# Altium PCB pqm_v2_310816.PcbDoc (part 1 of 2)
Units mil, origin at the board's own origin, x right, y up, seen from the top; angles counter-clockwise.
Board outline 5393.7 x 3307.09 mil, 2 copper layers (Top Layer, Bottom Layer); 241 components, 186 nets, 846 pads, 198 vias.
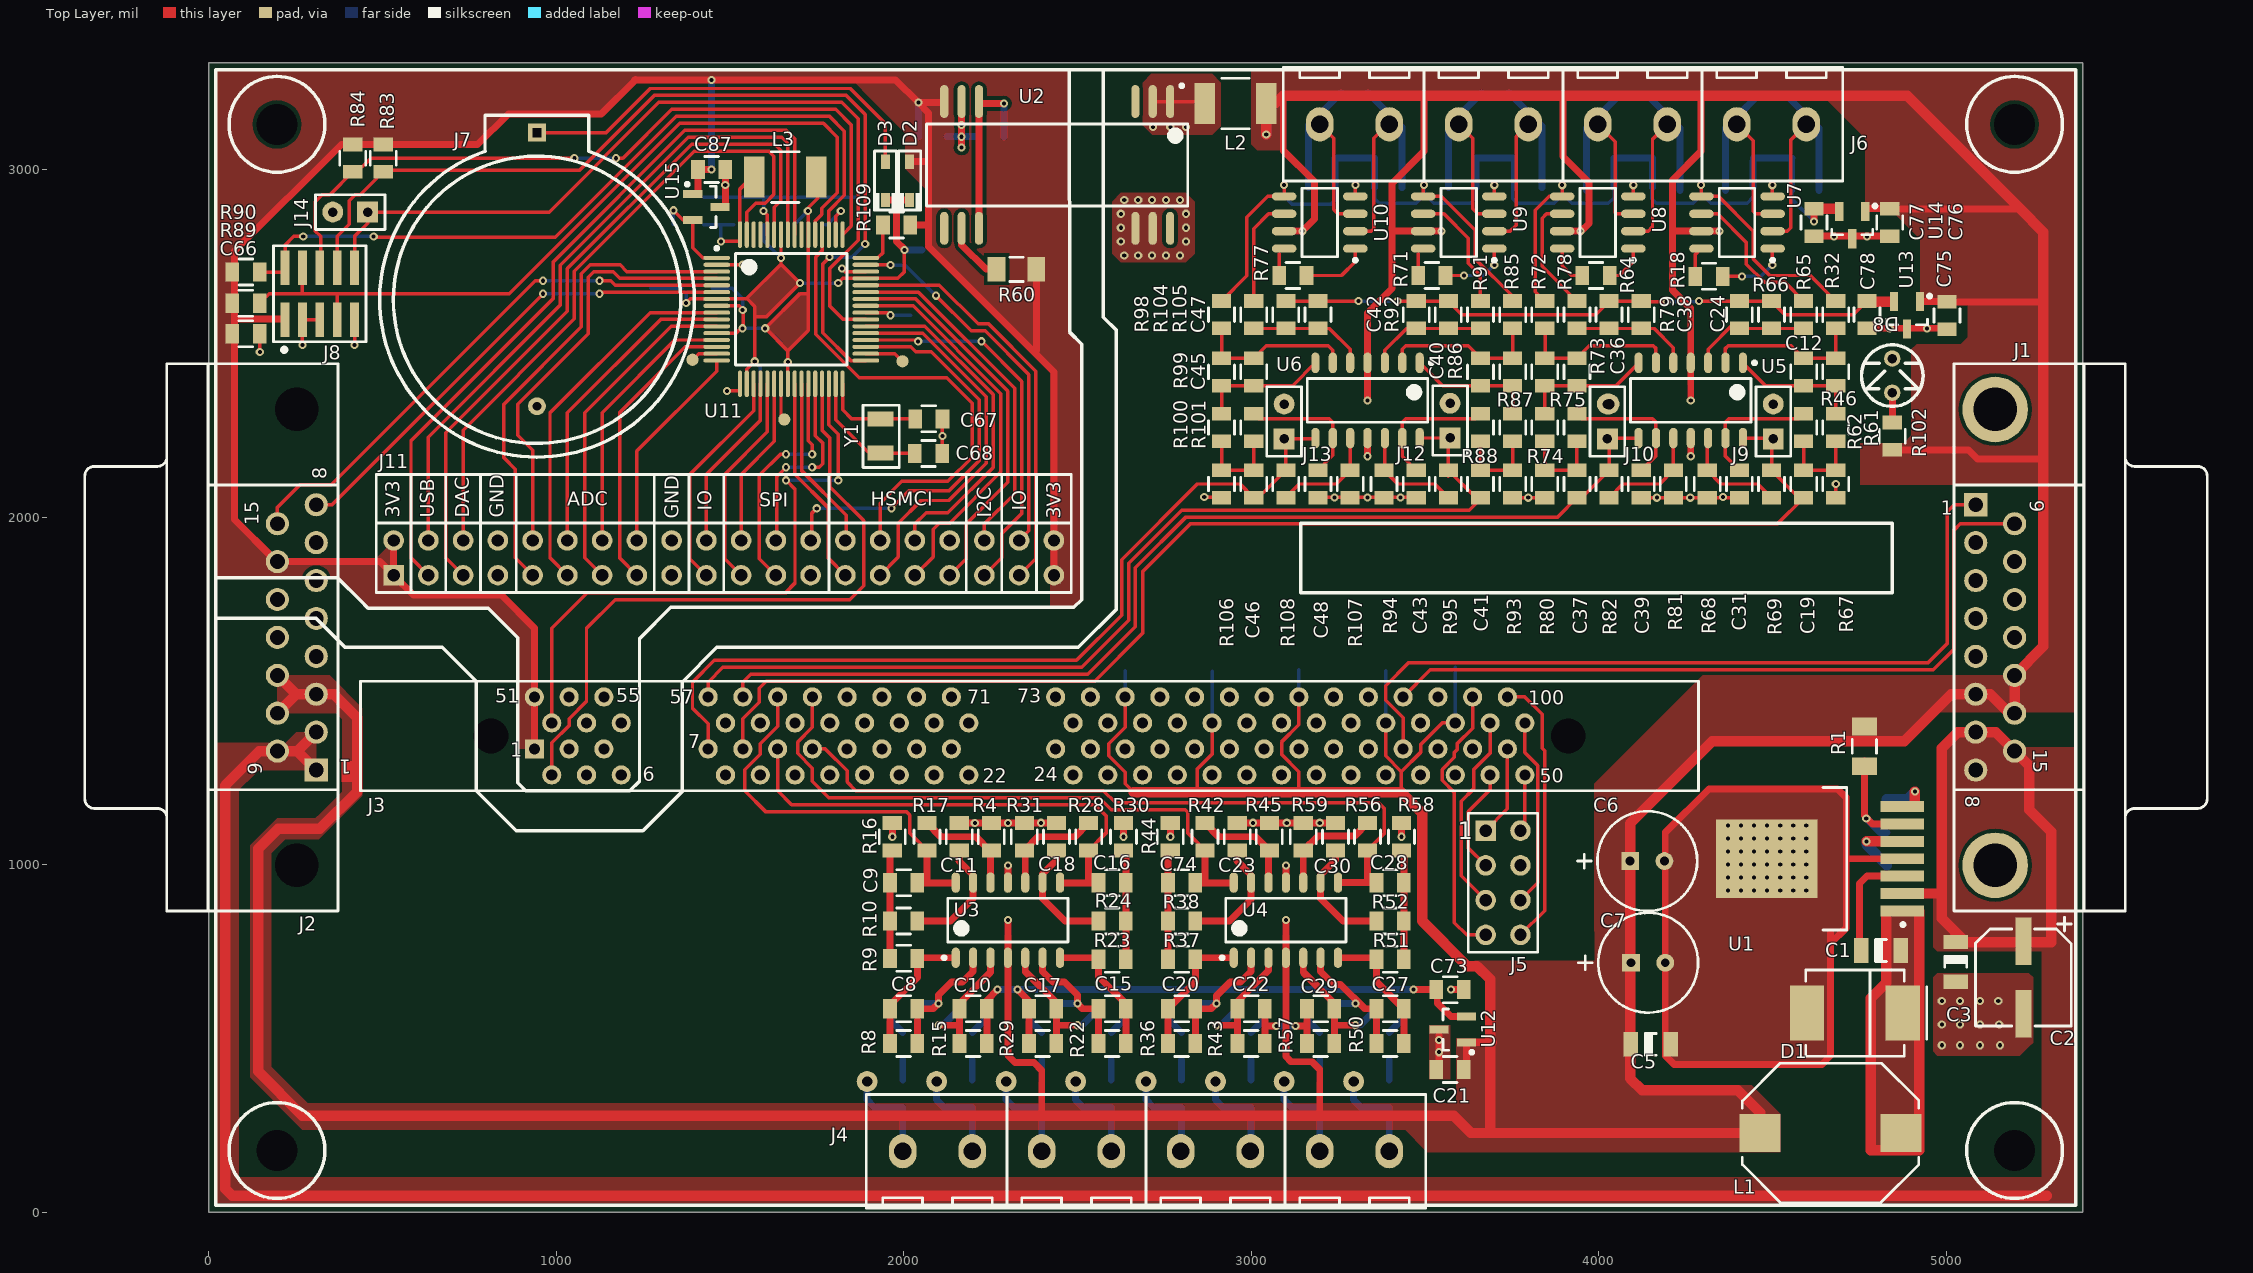
[diagram p0: Top Layer view]
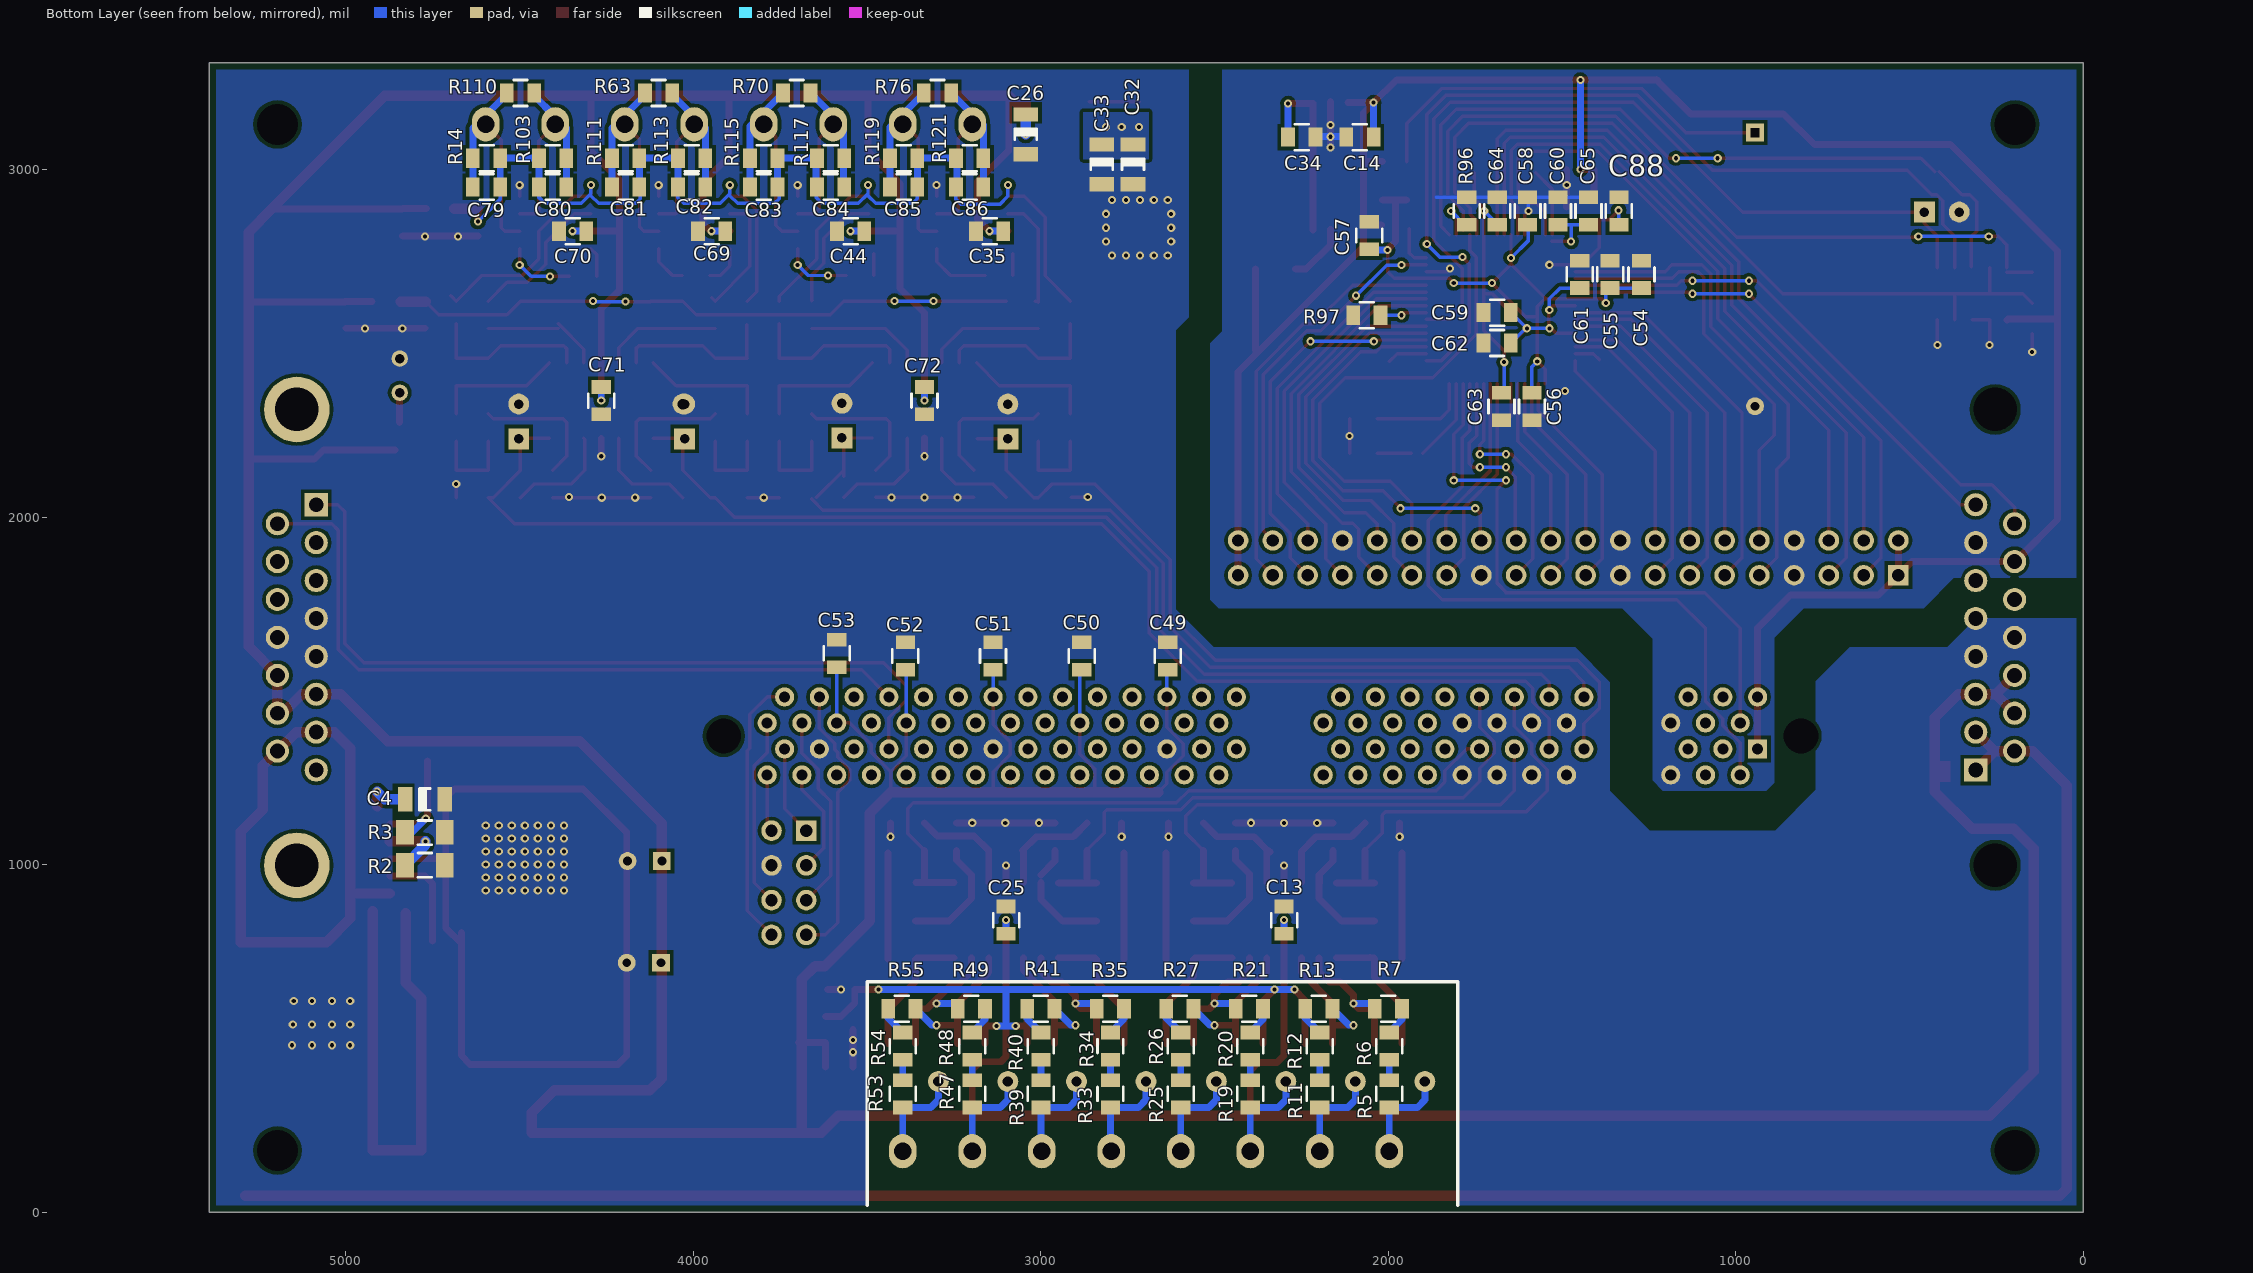
[diagram p1: Bottom Layer view, seen from below]

## Layer stack, top to bottom
Top Layer: signal copper 1.4
Dielectric: dielectric 12.6, FR-4, Dk 4.8
Bottom Layer: signal copper 1.4

## Board outline
0,0 0,3307.09 5393.7,3307.09 5393.7,0

## Design rules (kind name [scope] priority, off if disabled: settings)
Clearance Clearance_1 [All vs InPolygon] p1: gap=10
Clearance [All] p2: gap=5
PlaneClearance [All] p1: clearance=40
PlaneConnect [All] p1: planeconnectstyle=Direct reliefexpansion=20 reliefentries=4 reliefconductorwidth=10 reliefairgap=10
PolygonConnect [All] p1: connectstyle=Direct reliefconductorwidth=10 reliefentries=4 polygonreliefangle="90 Angle"
RoutingVias [All] p1: holewidth=15 width=30 viastyle="Through Hole" minholewidth=23.62 minwidth=11.81 maxholewidth=25 maxwidth=50
SilkscreenOverComponentPads [All] p1: minsilkscreentomaskgap=10
SolderMaskExpansion [All] p1: expansion=4
UnRoutedNet UnRoutedNet_1 [All] p1:
UnRoutedNet [All] p2:
Width [All] p1: maxlimit=31.5 minlimit=10 preferedwidth=10
24 further rules are at their usual default settings.

## Classes and differential pairs
component class pqm_v2_page2: C49 C50 C51 C52 C53 C54 C55 C56 C57 C58 C59 C60 C61 C62 C63 C64 C65 C66 C67 C68 C87 C88 D2 D3 J3 J5 J7 J8 J11 J14 L3 R83 R84 R89 R90 R96 R97 R109 U11 U15 Y1
component class pqm_v2_page4: C12 C19 C24 C31 C35 C36 C37 C38 C39 C40 C41 C42 C43 C44 C45 C46 C47 C48 C69 C70 C71 C72 C75 C76 C77 C78 C79 C80 C81 C82 C83 C84 C85 C86 J6 J9 J10 J12 J13 R14 R18 R32 R46 R61 R62 R63 R64 R65 R66 R67 R68 R69 R70 R71 R72 R73 R74 R75 R76 R77 R78 R79 R80 R81 R82 R85 R86 R87 R88 R91 R92 R93 R94 R95 R98 R99 R100 R101 R103 R104 R105 R106 R107 R108 R110 R111 R113 R115 R117 R119 R121 U5 U6 U7 U8 U9 U10 U13 U14
component class pqm_v2_page1: C1 C2 C3 C4 C5 C6 C7 C14 C26 C32 C33 C34 D1 D8 J1 J2 L1 L2 R1 R2 R3 R60 R102 U1 U2
component class pqm_v2_page3: C8 C9 C10 C11 C13 C15 C16 C17 C18 C20 C21 C22 C23 C25 C27 C28 C29 C30 C73 C74 J4 R4 R5 R6 R7 R8 R9 R10 R11 R12 R13 R15 R16 R17 R19 R20 R21 R22 R23 R24 R25 R26 R27 R28 R29 R30 R31 R33 R34 R35 R36 R37 R38 R39 R40 R41 R42 R43 R44 R45 R47 R48 R49 R50 R51 R52 R53 R54 R55 R56 R57 R58 R59 U3 U4 U12

## Components (designator, comment, footprint, x,y, rotation, side; value= is the part's Value field where it differs from the comment)
C1 "CAP_C3216X7R2J103K115AA_TDK" CAPC3216X135N_B 4812.5,752.5 r0 top
C2 "CAP_EEE-1HA470XP_PANASONIC" CAPAE630770X770N 5222.5,675 r90 top
C3 "CAP_C3216X7R1E105M085AA_TDK" CAPC3216X135N_B 5027.5,720 r270 top
C4 "CAP_C3216X7R1E105M085AA_TDK" CAPC3216X135N_B 4772.5,1187.5 r180 bottom
C5 "CAP_EEU-FC1E121_PANASONIC" CAPPRD250W50D630H1250 4142.5,717.5 r270 top
C6 "CAP_EEU-FC1E121_PANASONIC" CAPPRD250W50D630H1250 4140,1010 r270 top
C7 "CAP_C3216X7R1E105M085AA_TDK" CAPC3216X135N_B 4150,482.5 r0 top
C8 "CAP_GRM2195C1H103FA01D_MURATA" CAPC2013X110N 2000,585 r180 top
C9 "CAP_GRM2195C1H103FA01D_MURATA" CAPC2013X110N 2000,947.5 r0 top
C10 "CAP_GRM2195C1H103FA01D_MURATA" CAPC2013X110N 2200,585 r180 top
C11 "CAP_GRM2195C1H103FA01D_MURATA" CAPC2013X110N 2160,1080 r270 top
C12 "CAP_GRM2195C1H103FA01D_MURATA" CAPC2013X110N 4590,2417.5 r270 top
C13 "CAP_CC0805KRX7R8BB104_YAGEO" CAPC2013X110N 2300,840 r90 bottom
C14 "CAP_CC0805KRX7R8BB104_YAGEO" CAPC2013X110N 2081.87,3093.13 r0 bottom
C15 "CAP_GRM2195C1H103FA01D_MURATA" CAPC2013X110N 2600,585 r0 top
C16 "CAP_GRM2195C1H103FA01D_MURATA" CAPC2013X110N 2600,947.5 r180 top
C17 "CAP_GRM2195C1H103FA01D_MURATA" CAPC2013X110N 2400,585 r0 top
C18 "CAP_GRM2195C1H103FA01D_MURATA" CAPC2013X110N 2440,1080 r270 top
C19 "CAP_GRM2195C1H103FA01D_MURATA" CAPC2013X110N 4590,2095 r270 top
C20 "CAP_GRM2195C1H103FA01D_MURATA" CAPC2013X110N 2800,585 r180 top
C21 "CAP_CC0805KKX7R7BB105_YAGEO" CAPC2013X110N 3572.5,410 r180 top
C22 "CAP_GRM2195C1H103FA01D_MURATA" CAPC2013X110N 3000,585 r180 top
C23 "CAP_GRM2195C1H103FA01D_MURATA" CAPC2013X110N 2960,1080 r270 top
C24 "CAP_GRM2195C1H103FA01D_MURATA" CAPC2013X110N 4405,2582.5 r270 top
C25 "CAP_CC0805KRX7R8BB104_YAGEO" CAPC2013X110N 3100,840 r90 bottom
C26 "CAP_C3216X7R1E105M085AA_TDK" CAPC3216X135N_B 3043.58,3101.08 r270 bottom
C27 "CAP_GRM2195C1H103FA01D_MURATA" CAPC2013X110N 3400,585 r0 top
C28 "CAP_GRM2195C1H103FA01D_MURATA" CAPC2013X110N 3400,947.5 r180 top
C29 "CAP_GRM2195C1H103FA01D_MURATA" CAPC2013X110N 3200,585 r0 top
C30 "CAP_GRM2195C1H103FA01D_MURATA" CAPC2013X110N 3242.5,1080 r270 top
C31 "CAP_GRM2195C1H103FA01D_MURATA" CAPC2013X110N 4405,2095 r90 top
C32 "CAP_C3216X7R1E105M085AA_TDK" CAPC3216X135N_B 2735,3015 r270 bottom
C33 "CAP_CC1206KKX7R7BB225_YAGEO" CAPC3216X135N_B 2825,3015 r270 bottom
C34 "CAP_CC0805KKX7R7BB105_YAGEO" CAPC2013X110N 2249.37,3093.13 r180 bottom
C35 "CAP_CC0805KRX7R8BB104_YAGEO" CAPC2013X110N 3147.5,2822.5 r0 bottom
C36 "CAP_GRM2195C1H103FA01D_MURATA" CAPC2013X110N 3937.5,2417.5 r270 top
C37 "CAP_GRM2195C1H103FA01D_MURATA" CAPC2013X110N 3937.5,2095 r270 top
C38 "CAP_GRM2195C1H103FA01D_MURATA" CAPC2013X110N 4122.5,2582.5 r270 top
C39 "CAP_GRM2195C1H103FA01D_MURATA" CAPC2013X110N 4122.5,2095 r90 top
C40 "CAP_GRM2195C1H103FA01D_MURATA" CAPC2013X110N 3660,2417.5 r270 top
C41 "CAP_GRM2195C1H103FA01D_MURATA" CAPC2013X110N 3660,2095 r270 top
C42 "CAP_GRM2195C1H103FA01D_MURATA" CAPC2013X110N 3475,2582.5 r270 top
C43 "CAP_GRM2195C1H103FA01D_MURATA" CAPC2013X110N 3475,2095 r90 top
C44 "CAP_CC0805KRX7R8BB104_YAGEO" CAPC2013X110N 3547.5,2822.5 r0 bottom
C45 "CAP_GRM2195C1H103FA01D_MURATA" CAPC2013X110N 3007.5,2417.5 r270 top
C46 "CAP_GRM2195C1H103FA01D_MURATA" CAPC2013X110N 3007.5,2095 r270 top
C47 "CAP_GRM2195C1H103FA01D_MURATA" CAPC2013X110N 3192.5,2582.5 r270 top
C48 "CAP_GRM2195C1H103FA01D_MURATA" CAPC2013X110N 3192.5,2095 r90 top
C49 "CAP_CC0805KRX7R8BB104_YAGEO" CAPC2013X110N 2635,1600 r90 bottom
C50 "CAP_CC0805KRX7R8BB104_YAGEO" CAPC2013X110N 2882.5,1600 r90 bottom
C51 "CAP_CC0805KRX7R8BB104_YAGEO" CAPC2013X110N 3137.5,1600 r90 bottom
C52 "CAP_CC0805KRX7R8BB104_YAGEO" CAPC2013X110N 3390,1600 r90 bottom
C53 "CAP_CC0805KRX7R8BB104_YAGEO" CAPC2013X110N 3587.5,1607.5 r90 bottom
C54 "CAP_C2012X6S1C106K085AC_TDK" CAPC2013X110N 1271.87,2698.13 r90 bottom
C55 "CAP_CC0805KRX7R8BB104_YAGEO" CAPC2013X110N 1361.87,2698.13 r90 bottom
C56 "CAP_CC0805KRX7R8BB104_YAGEO" CAPC2013X110N 1586.87,2318.13 r270 bottom
C57 "CAP_CC0805KRX7R8BB104_YAGEO" CAPC2013X110N 2055,2810 r90 bottom
C58 "CAP_CC0805KRX7R8BB104_YAGEO" CAPC2013X110N 1599.37,2880.63 r90 bottom
C59 "CAP_C2012X6S1C106K085AC_TDK" CAPC2013X110N 1686.87,2588.13 r0 bottom
C60 "CAP_C2012X6S1C106K085AC_TDK" CAPC2013X110N 1511.87,2880.63 r90 bottom
C61 "CAP_CC0805KRX7R8BB104_YAGEO" CAPC2013X110N 1449.37,2698.13 r270 bottom
C62 "CAP_CC0805KRX7R8BB104_YAGEO" CAPC2013X110N 1686.87,2500.63 r180 bottom
C63 "CAP_CC0805KRX7R8BB104_YAGEO" CAPC2013X110N 1674.37,2318.13 r90 bottom
C64 "CAP_CC0805KRX7R8BB104_YAGEO" CAPC2013X110N 1686.87,2880.63 r270 bottom
C65 "CAP_CC0805KRX7R8BB104_YAGEO" CAPC2013X110N 1424.37,2880.63 r270 bottom
C66 "CAP_CC0805KRX7R8BB104_YAGEO" CAPC2013X110N 107.5,2527.5 r0 top
C67 "CAP_C0805X150J5GACTU_KEMET" CAPC2013X110N 2072.5,2282.5 r0 top
C68 "CAP_C0805X150J5GACTU_KEMET" CAPC2013X110N 2071.71,2182.97 r0 top
C69 "CAP_CC0805KRX7R8BB104_YAGEO" CAPC2013X110N 3947.5,2822.5 r0 bottom
C70 "CAP_CC0805KRX7R8BB104_YAGEO" CAPC2013X110N 4347.5,2822.5 r0 bottom
C71 "CAP_CC0805KRX7R8BB104_YAGEO" CAPC2013X110N 4265,2335 r270 bottom
C72 "CAP_CC0805KRX7R8BB104_YAGEO" CAPC2013X110N 3335,2335 r270 bottom
C73 "CAP_CC0805KKX7R7BB105_YAGEO" CAPC2013X110N 3572.5,640 r0 top
C74 "CAP_GRM2195C1H103FA01D_MURATA" CAPC2013X110N 2800,947.5 r0 top
C75 "CAP_CC0805KKX7R7BB105_YAGEO" CAPC2013X110N 5002.5,2580 r270 top
C76 "CAP_CC0805KKX7R7BB105_YAGEO" CAPC2013X110N 4837.5,2847.5 r270 top
C77 "CAP_CC0805KKX7R7BB105_YAGEO" CAPC2013X110N 4620,2847.5 r270 top
C78 "CAP_CC0805KKX7R7BB105_YAGEO" CAPC2013X110N 4772.5,2582.5 r270 top
C79 "CAP_CC0805JRNPO9BN101_YAGEO" CAPC2013X110N 4595,2950 r180 bottom
C80 "CAP_CC0805JRNPO9BN101_YAGEO" CAPC2013X110N 4405,2950 r180 bottom
C81 "CAP_CC0805JRNPO9BN101_YAGEO" CAPC2013X110N 4195,2950 r180 bottom
C82 "CAP_CC0805JRNPO9BN101_YAGEO" CAPC2013X110N 4005,2950 r180 bottom
C83 "CAP_CC0805JRNPO9BN101_YAGEO" CAPC2013X110N 3797.5,2950 r180 bottom
C84 "CAP_CC0805JRNPO9BN101_YAGEO" CAPC2013X110N 3605,2950 r180 bottom
C85 "CAP_CC0805JRNPO9BN101_YAGEO" CAPC2013X110N 3395,2950 r180 bottom
C86 "CAP_CC0805JRNPO9BN101_YAGEO" CAPC2013X110N 3205,2950 r180 bottom
C87 "CAP_CC0805KKX7R7BB105_YAGEO" CAPC2013X110N 1447.5,3000 r0 top
C88 "CAP_CC0805KKX7R7BB105_YAGEO" CAPC2013X110N 1336.87,2880.63 r90 bottom
D1 "DIO_SK36_MICROCOM" DIOM7959X262N 4737.5,572.5 r180 top
D2 "DIO_DB2J20900L_PANASONIC" SOD2512X097N 2017.5,2967.5 r90 top
D3 "DIO_DB2J20900L_PANASONIC" SOD2512X097N 1947.5,2967.5 r90 top
D8 "LED" Led 4845,2357.5 r90 top
J1 "CON_DB_15" 788757-1#1 5515,1653.54 r270 top
J2 "CON_DB_15" 788757-1#2 -120,1653.54 r90 top
J3 "DIM 100 - F28335" DIMM1.27-2V100 2362.5,1370 r0 top
J4 "HeaderX8" BORNERAX8 1997.5,175 r0 top
J5 "CON_Header_2X4" HDR2X4 3675,1097.5 r270 top
J6 "HeaderX8" BORNERAX8 4597.5,3130 r180 top
J7 "CON_BAT" CON_BAT_2032 945,2625 r90 top
J8 "CON_20021121-00010C4LF_FCI" FCI_20021121-00010C4LF 320,2642.5 r90 top
J9 "CON_RADX2" RAD2 4502.5,2275 r90 top
J10 "CON_RADX2" RAD2 4025,2275 r90 top
J11 "CON_HeaderX40" HEADERX70 2232.5,1882.5 r0 top
J12 "CON_RADX2" RAD2 3572.5,2277.5 r90 top
J13 "CON_RADX2" RAD2 3095,2275 r90 top
J14 "CON_RADX2" RAD2 407.5,2877.5 r180 top
L1 "MAG_SRR1005-100M_BOURNS" MAG_INDUCTOR2A 4667.5,227.5 r180 top
L2 "MAG_CM453232-100KLCT_BOURNS" INDC4532X170N 2955,3190 r180 top
L3 "MAG_CM453232-100KLCT_BOURNS" INDC4532X170N 1659.37,2978.13 r180 top
R1 "RES_ERJ-8ENF2551V_Panasonic" RESC3216N 4765,1340 r270 top
R2 "RES_ERJ-8GEYJ822V_Panasonic" RESC3216N 4772.5,997.5 r0 bottom
R3 "RES_ERJ-8ENF7321V_Panasonic" RESC3216N 4772.5,1092.5 r180 bottom
R4 "RES_RC0805FR-0710KL_YAGEO" RESC2013X065BN 2252.5,1080 r90 top
R5 "RES_RC0805FR-07412KL_YAGEO" RESC2013X065BN 1997.5,340 r270 bottom
R6 "RES_RC0805FR-07412KL_YAGEO" RESC2013X065BN 1997.5,477.5 r270 bottom
R7 "RES_RC0805FR-07412KL_YAGEO" RESC2013X065BN 2000,585 r180 bottom
R8 "RES_RC0805FR-074K7L_YAGEO" RESC2013X065BN 2000,485 r0 top
R9 "RES_RC0805FR-079K31L_YAGEO" RESC2013X065BN 2000,730 r0 top
R10 "RES_RC0805FR-074K7L_YAGEO" RESC2013X065BN 2000,837.5 r180 top
R11 "RES_RC0805FR-07412KL_YAGEO" RESC2013X065BN 2197.5,340 r270 bottom
R12 "RES_RC0805FR-07412KL_YAGEO" RESC2013X065BN 2197.5,477.5 r270 bottom
R13 "RES_RC0805FR-07412KL_YAGEO" RESC2013X065BN 2200,585 r0 bottom
R14 "RES_RC0805FR-07510KL_YAGEO" RESC2013X065BN 4595,3032.5 r0 bottom
R15 "RES_RC0805FR-074K7L_YAGEO" RESC2013X065BN 2200,485 r0 top
R16 "RES_RC0805FR-079K31L_YAGEO" RESC2013X065BN 1967.5,1080 r270 top
R17 "RES_RC0805FR-0710KL_YAGEO" RESC2013X065BN 2067.5,1080 r90 top
R18 "RES_RC0805FR-0749K9L_YAGEO" RESC2013X065BN 4317.5,2692.5 r0 top
R19 "RES_RC0805FR-07412KL_YAGEO" RESC2013X065BN 2397.5,340 r270 bottom
R20 "RES_RC0805FR-07412KL_YAGEO" RESC2013X065BN 2397.5,477.5 r270 bottom
R21 "RES_RC0805FR-07412KL_YAGEO" RESC2013X065BN 2400,585 r180 bottom
R22 "RES_RC0805FR-074K7L_YAGEO" RESC2013X065BN 2600,485 r180 top
R23 "RES_RC0805FR-079K31L_YAGEO" RESC2013X065BN 2600,727.5 r180 top
R24 "RES_RC0805FR-074K7L_YAGEO" RESC2013X065BN 2600,837.5 r0 top
R25 "RES_RC0805FR-07412KL_YAGEO" RESC2013X065BN 2597.5,340 r270 bottom
R26 "RES_RC0805FR-07412KL_YAGEO" RESC2013X065BN 2597.5,477.5 r270 bottom
R27 "RES_RC0805FR-07412KL_YAGEO" RESC2013X065BN 2600,585 r0 bottom
R28 "RES_RC0805FR-0710KL_YAGEO" RESC2013X065BN 2532.5,1080 r90 top
R29 "RES_RC0805FR-074K7L_YAGEO" RESC2013X065BN 2400,485 r180 top
R30 "RES_RC0805FR-079K31L_YAGEO" RESC2013X065BN 2632.5,1080 r90 top
R31 "RES_RC0805FR-0710KL_YAGEO" RESC2013X065BN 2347.5,1080 r90 top
R32 "RES_RC0805FR-073K16L_YAGEO" RESC2013X065BN 4682.5,2582.5 r90 top
R33 "RES_RC0805FR-07412KL_YAGEO" RESC2013X065BN 2800,340 r270 bottom
R34 "RES_RC0805FR-07412KL_YAGEO" RESC2013X065BN 2800,477.5 r270 bottom
R35 "RES_RC0805FR-07412KL_YAGEO" RESC2013X065BN 2800,585 r180 bottom
R36 "RES_RC0805FR-074K7L_YAGEO" RESC2013X065BN 2800,485 r0 top
R37 "RES_RC0805FR-079K31L_YAGEO" RESC2013X065BN 2800,727.5 r0 top
R38 "RES_RC0805FR-074K7L_YAGEO" RESC2013X065BN 2800,837.5 r180 top
R39 "RES_RC0805FR-07412KL_YAGEO" RESC2013X065BN 3000,340 r270 bottom
R40 "RES_RC0805FR-07412KL_YAGEO" RESC2013X065BN 3000,477.5 r270 bottom
R41 "RES_RC0805FR-07412KL_YAGEO" RESC2013X065BN 3000,585 r0 bottom
R42 "RES_RC0805FR-0710KL_YAGEO" RESC2013X065BN 2867.5,1080 r90 top
R43 "RES_RC0805FR-074K7L_YAGEO" RESC2013X065BN 3000,485 r0 top
R44 "RES_RC0805FR-079K31L_YAGEO" RESC2013X065BN 2767.5,1080 r90 top
R45 "RES_RC0805FR-0710KL_YAGEO" RESC2013X065BN 3052.5,1080 r90 top
R46 "RES_RC0805FR-074K7L_YAGEO" RESC2013X065BN 4682.5,2417.5 r90 top
R47 "RES_RC0805FR-07412KL_YAGEO" RESC2013X065BN 3197.5,340 r270 bottom
R48 "RES_RC0805FR-07412KL_YAGEO" RESC2013X065BN 3197.5,477.5 r270 bottom
R49 "RES_RC0805FR-07412KL_YAGEO" RESC2013X065BN 3200,585 r180 bottom
R50 "RES_RC0805FR-074K7L_YAGEO" RESC2013X065BN 3400,485 r180 top
R51 "RES_RC0805FR-079K31L_YAGEO" RESC2013X065BN 3400,727.5 r0 top
R52 "RES_RC0805FR-074K7L_YAGEO" RESC2013X065BN 3400,837.5 r0 top
R53 "RES_RC0805FR-07412KL_YAGEO" RESC2013X065BN 3397.5,340 r270 bottom
R54 "RES_RC0805FR-07412KL_YAGEO" RESC2013X065BN 3397.5,477.5 r270 bottom
R55 "RES_RC0805FR-07412KL_YAGEO" RESC2013X065BN 3400,585 r0 bottom
R56 "RES_RC0805FR-0710KL_YAGEO" RESC2013X065BN 3335,1080 r90 top
R57 "RES_RC0805FR-074K7L_YAGEO" RESC2013X065BN 3200,485 r180 top
R58 "RES_RC0805FR-079K31L_YAGEO" RESC2013X065BN 3432.5,1080 r270 top
R59 "RES_RC0805FR-0710KL_YAGEO" RESC2013X065BN 3150,1080 r90 top
R60 "RES_RC1206FR-0710KL_Yageo" RESC3216N 2324.78,2713.13 r0 top
R61 "RES_RC0805FR-079K31L_YAGEO" RESC2013X065BN 4682.5,2257.5 r90 top
R62 "RES_RC0805FR-074K7L_YAGEO" RESC2013X065BN 4590,2257.5 r270 top
R63 "RES_RC0805FR-071RL_YAGEO" RESC2013X065BN 4100,3220 r0 bottom
R64 "RES_RC0805FR-0749K9L_YAGEO" RESC2013X065BN 3992.5,2695 r0 top
R65 "RES_RC0805FR-073K16L_YAGEO" RESC2013X065BN 4590,2582.5 r90 top
R66 "RES_RC0805FR-074K7L_YAGEO" RESC2013X065BN 4497.5,2582.5 r90 top
R67 "RES_RC0805FR-079K31L_YAGEO" RESC2013X065BN 4682.5,2095 r90 top
R68 "RES_RC0805FR-0710KL_YAGEO" RESC2013X065BN 4312.5,2095 r270 top
R69 "RES_RC0805FR-0710KL_YAGEO" RESC2013X065BN 4497.5,2095 r270 top
R70 "RES_RC0805FR-071RL_YAGEO" RESC2013X065BN 3702.5,3220 r0 bottom
R71 "RES_RC0805FR-0749K9L_YAGEO" RESC2013X065BN 3520,2695 r0 top
R72 "RES_RC0805FR-073K16L_YAGEO" RESC2013X065BN 3845,2582.5 r90 top
R73 "RES_RC0805FR-074K7L_YAGEO" RESC2013X065BN 3845,2417.5 r90 top
R74 "RES_RC0805FR-079K31L_YAGEO" RESC2013X065BN 3845,2257.5 r90 top
R75 "RES_RC0805FR-074K7L_YAGEO" RESC2013X065BN 3937.5,2257.5 r270 top
R76 "RES_RC0805FR-071RL_YAGEO" RESC2013X065BN 3297.5,3220 r0 bottom
R77 "RES_RC0805FR-0749K9L_YAGEO" RESC2013X065BN 3120,2695 r0 top
R78 "RES_RC0805FR-073K16L_YAGEO" RESC2013X065BN 3937.5,2582.5 r90 top
R79 "RES_RC0805FR-074K7L_YAGEO" RESC2013X065BN 4030,2582.5 r90 top
R80 "RES_RC0805FR-079K31L_YAGEO" RESC2013X065BN 3845,2095 r90 top
R81 "RES_RC0805FR-0710KL_YAGEO" RESC2013X065BN 4215,2095 r270 top
R82 "RES_RC0805FR-0710KL_YAGEO" RESC2013X065BN 4030,2095 r270 top
R83 "RES_AC0805JR-07100KL_YAGEO" RESC2013X065BN 502.5,3032.5 r90 top
R84 "RES_AC0805JR-07100KL_YAGEO" RESC2013X065BN 415,3032.5 r90 top
R85 "RES_RC0805FR-073K16L_YAGEO" RESC2013X065BN 3752.5,2582.5 r90 top
R86 "RES_RC0805FR-074K7L_YAGEO" RESC2013X065BN 3752.5,2417.5 r90 top
R87 "RES_RC0805FR-079K31L_YAGEO" RESC2013X065BN 3752.5,2257.5 r90 top
R88 "RES_RC0805FR-074K7L_YAGEO" RESC2013X065BN 3660,2257.5 r270 top
R89 "RES_AC0805JR-07100KL_YAGEO" RESC2013X065BN 107.5,2615 r180 top
R90 "RES_AC0805JR-07100KL_YAGEO" RESC2013X065BN 107.5,2705 r180 top
R91 "RES_RC0805FR-073K16L_YAGEO" RESC2013X065BN 3660,2582.5 r90 top
R92 "RES_RC0805FR-074K7L_YAGEO" RESC2013X065BN 3567.5,2582.5 r90 top
R93 "RES_RC0805FR-079K31L_YAGEO" RESC2013X065BN 3752.5,2095 r90 top
R94 "RES_RC0805FR-0710KL_YAGEO" RESC2013X065BN 3382.5,2095 r270 top
R95 "RES_RC0805FR-0710KL_YAGEO" RESC2013X065BN 3567.5,2095 r270 top
R96 "RES_RC0805JR-0710KL_YAGEO" RESC2013X065BN 1774.37,2880.63 r270 bottom
R97 "RES_RC0805JR-0710KL_YAGEO" RESC2013X065BN 2061.87,2580.63 r180 bottom
R98 "RES_RC0805FR-073K16L_YAGEO" RESC2013X065BN 2915,2582.5 r90 top
R99 "RES_RC0805FR-074K7L_YAGEO" RESC2013X065BN 2915,2417.5 r90 top
R100 "RES_RC0805FR-079K31L_YAGEO" RESC2013X065BN 2915,2257.5 r90 top
R101 "RES_RC0805FR-074K7L_YAGEO" RESC2013X065BN 3007.5,2257.5 r270 top
R102 "RES_RC0805JR-07330RL_YAGEO" RESC2013X065BN 4845,2232.5 r270 top
R103 "RES_RC0805FR-07510KL_YAGEO" RESC2013X065BN 4405,3032.5 r0 bottom